# Altium PCB PIXHACK_V3X2.PcbDoc (part 3 of 3)
Units mm, origin at the board's own origin, x right, y up, seen from the top; angles counter-clockwise.
Board outline 51.45 x 41 mm, 6 copper layers (Top Layer, GND, POWER1, Signal1, POWER, Bottom Layer), stack 1.296 mm thick; 217 components, 247 nets, 1002 pads, 279 vias.
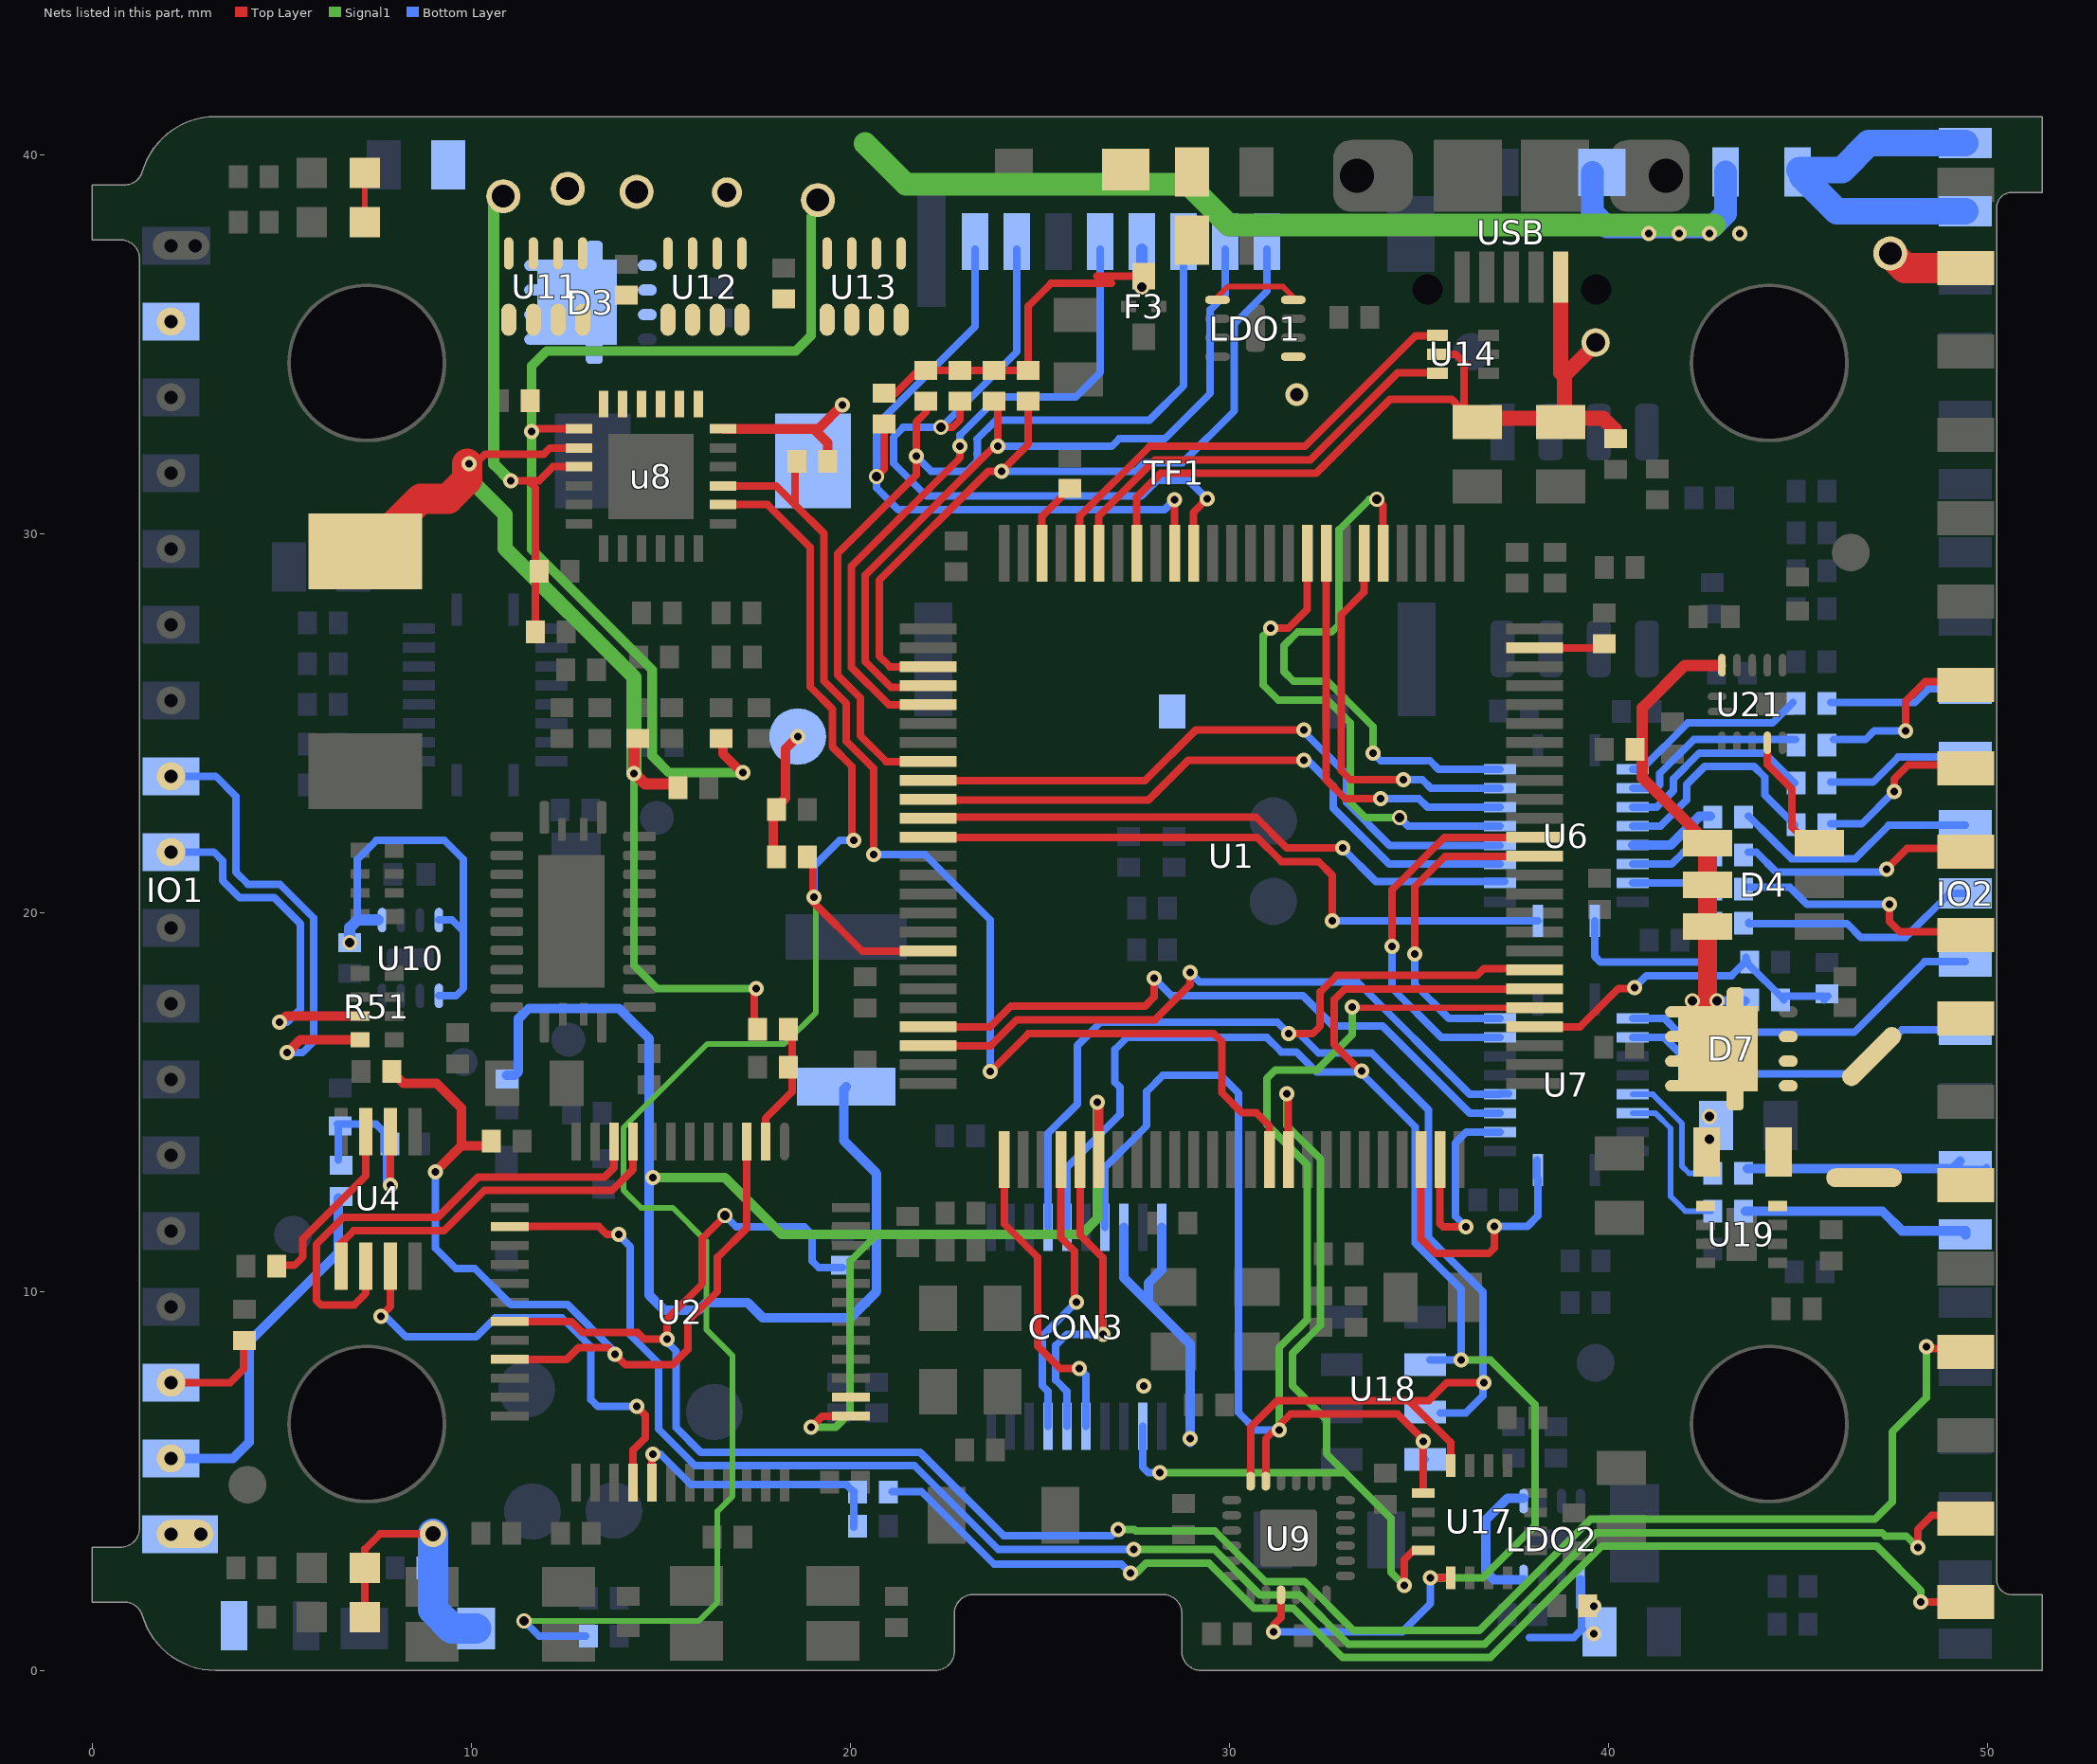
[diagram p7: the nets of this part, all layers, seen from the top]

## Via types
v1: diameter 0.4, hole 0.2, Top Layer to Bottom Layer, tented both sides, 219 vias
v2: diameter 0.4, hole 0.25, Top Layer to Bottom Layer, tented both sides, 32 vias
v3: diameter 0.4, hole 0.2, Top Layer to Bottom Layer, tented top, 17 vias
v4: diameter 0.35, hole 0.2, Top Layer to Bottom Layer, tented both sides, 4 vias
v5: diameter 0.6, hole 0.35, Top Layer to Bottom Layer, tented both sides, 2 vias
v6: diameter 0.4, hole 0.25, Top Layer to Bottom Layer, tented top, 2 vias
v7: diameter 0.45, hole 0.25, Top Layer to Bottom Layer, tented both sides, 2 vias
v8: diameter 0.7, hole 0.4, Top Layer to Bottom Layer, tented both sides, 1 vias

## Nets (pads, with @x,y where several pads share a name; then routed paths per layer and width w, separated by ;. In a path a pad name is that pad's centre, name@x,y a point inside that pad or via, vN(x,y) a via of type N, cw(c..) or ccw(c..) an arc to the next point about the centre after c; other vN are vias at no path point) (continued)
PWM_OUT7: IO1.10 pad.13 pad.23@2.081,21.596 R51.3 | length 9.6
  Top Layer w0.254: v1(4.95,17.1) 5.117,17.267 R51.3@7.066,17.267
  Bottom Layer w0.2: IO1.10@2.081,21.596 3.212,21.596 3.441,21.367 3.441,20.842 3.891,20.392 4.807,20.392 5.496,19.703 5.496,17.447 5.149,17.1 v1(4.95,17.1)
PWM_OUT8: IO1.11 pad.14 pad.23@2.081,23.596 R51.4 | length 12.7
  Top Layer w0.254: v1(5.15,16.3) 5.492,16.642 R51.4@7.066,16.642
  Bottom Layer w0.2: IO1.11@2.152,23.667 IO1.11@2.081,23.596 3.262,23.596 3.795,23.063 3.795,21.063 4.112,20.746 4.954,20.746 5.85,19.85 5.85,16.601 5.549,16.3 v1(5.15,16.3)
RC_IN: ESD2.1 R50.2 R53.1 U4.2 | length 5.3
  Top Layer w0.2: v1@7.841,12.767 v1(7.873,12.799) U4.2@7.873,14.219
  Bottom Layer w0.2: R50.2@6.495,13.467 6.495,14.388 6.466,14.417 7.491,14.417 7.716,14.192 R53.1@7.716,13.717 ; v1@7.772,12.9 R53.1@7.772,13.913
RC_IN_PORT: IO1.2 pad.5@2.081,5.596 pad.23@2.081,5.596 R50.1 | length 9.7
  Bottom Layer w0.254: IO1.2@2.081,5.596 3.72,5.596 4.141,6.017 4.141,8.667 6.495,11.021 R50.1@6.495,12.467
RED: D4.C3 U21.5 | length 3.4
  Top Layer w0.2: U21.5@44.2,24.475 44.2,23.901 44.85,23.251 44.85,22.25 D4.C3@45.271,21.829
  Top Layer w0.25: D4.C3@45.271,21.829 D4.C3@45.574,21.829
RSSI_IN: C61.2 R55.1 U2.15 U2.33 | length 24.3
  Top Layer w0.2: U2.33@11.02,8.208 12.522,8.208 12.831,8.517 13.616,8.517 14.066,8.067 15.316,8.067 15.716,8.467 15.716,9.216 16.5,10 16.5,10.9 17.27,11.67 U2.15@17.27,13.958
  Top Layer w0.254: R55.1@7.91,15.8 8.216,15.494 9.089,15.494 9.741,14.842 9.741,13.842 ; v1(9.054,13.155) 9.741,13.842 ; C61.2@10.491,13.992 10.341,13.842 9.741,13.842
  Bottom Layer w0.2: v1(9.054,13.155) 9.054,11.146 9.6,10.6 10.1,10.6 11.046,9.654 12.546,9.654 13.716,8.484 v1@13.716,8.267
  other v1: 13.791,8.342
RSSI_IN_PROT: IO1.3 pad.7@2.081,7.596 pad.24 R54.2 | length 2.7
  Top Layer w0.2: pad.24@2.081,7.596 3.645,7.596 3.995,7.946 R54.2@3.995,8.611
SAFE_LED: IO2.2 U2.26 | length 47.4
  Top Layer w0.2: U2.26@11.02,11.708 11.029,11.717 13.366,11.717 13.583,11.5 v1(13.9,11.5) ; v1(48.166,3.242) 48.166,3.717 48.538,4.089 IO2.2@49.433,4.089
  Signal1 w0.2: v1(27.486,3.187) 29.612,3.187 30.807,1.992 31.842,1.992 33.138,0.696 36.745,0.696 39.681,3.633 47.226,3.633 47.313,3.546 47.862,3.546 v1(48.166,3.242)
  Bottom Layer w0.2: v1@13.892,11.492 14.2,11.183 14.2,8.85 14.941,8.109 14.941,6.372 15.913,5.4 21.701,5.4 23.914,3.187 v1(27.486,3.187)
SAFETY: R42.2 R62.1 U2.41 | length 7.4
  Top Layer w0.2: U2.41@14.77,4.958 14.77,5.67 v1(14.8,5.7) v1@14.812,5.712
  Bottom Layer w0.2: v1(14.8,5.7) 15,5.7 15.8,4.9 19.903,4.9 R62.1@20.094,4.709 ; R42.2@20.094,3.779 R62.1@20.094,4.709 ; R62.1@20.106,4.721 R62.1@20.094,4.709
SAFETY_IO: IO2.1 R62.2 | length 32.3
  Top Layer w0.2: v1(48.25,1.8) 49.344,1.8 IO2.1@49.361,1.817
  Signal1 w0.2: v1(27.391,2.567) 27.544,2.567 27.81,2.833 29.465,2.833 30.66,1.638 31.695,1.638 32.991,0.342 36.891,0.342 39.828,3.279 47.079,3.279 48.25,2.108 v1(48.25,1.8)
  Bottom Layer w0.2: R62.2@21.106,4.721 21.879,4.721 23.8,2.8 27.158,2.8 v1(27.391,2.567)
SBUS_INPUT: U2.22 U4.6 | length 13.1
  Top Layer w0.2: U4.6@7.223,10.669 7.223,9.949 6.916,9.642 6.041,9.642 5.916,9.767 5.916,11.242 6.628,11.954 9.119,11.954 10.182,13.017 13.517,13.017 13.77,13.27 U2.22@13.77,13.958
SBUS_OUTPUT: U2.21 U4.5 | length 9.8
  Top Layer w0.2: U4.5@6.573,10.669 6.573,11.274 6.899,11.6 9.281,11.6 10.345,12.663 13.713,12.663 14.27,13.22 U2.21@14.27,13.958
SBUS_OUTPUT_EN: U2.40 U4.7 | length 12.6
  Top Layer w0.2: v1(7.616,9.342) 7.873,9.599 U4.7@7.873,10.669 ; U2.40@14.27,4.958 14.27,5.812 14.591,6.133 14.591,6.742 v1(14.366,6.967)
  Bottom Layer w0.2: v1(7.616,9.342) 7.737,9.342 8.279,8.8 10.133,8.8 10.633,9.3 12.399,9.3 13.162,8.537 13.162,7.146 13.341,6.967 v1(14.366,6.967)
SBUS_OUTPUT_PROT: R11.1 U4.3 | length 4.7
  Top Layer w0.2: R11.1@4.96,10.688 5.337,10.688 5.562,10.913 5.562,11.389 7.223,13.05 U4.3@7.223,14.219
SDIO1_CARD_DETECT: TF1.10
SDIO_CK: TF1.5 U1.80 | length 17.4
  Top Layer w0.2: U1.80@22.06,25.484 21.017,25.484 20.036,26.465 20.036,29.136 22.9,32 v1(22.9,32.3)
  Bottom Layer w0.2: v1(22.9,32.3) 22.9,32.6 23.9,33.6 25.95,33.6 26.6,34.25 TF1.5@26.6,37.5
SDIO_CMD: R13.1 TF1.3 U1.83 | length 24.2
  Top Layer w0.2: R13.1@22,33.49 22,33.2 21.741,32.941 v1(21.741,32.041) 21.741,31.541 19.671,29.471 19.671,26.262 20.266,25.667 20.266,24.667 20.949,23.984 U1.83@22.06,23.984
  Bottom Layer w0.2: v1(21.741,32.041) 22.136,31.646 23.088,31.646 23.354,31.912 23.354,32.104 23.35,32.108 23.354,32.112 23.354,32.488 23.35,32.492 23.354,32.496 23.85,32.992 27.892,32.992 28.8,33.9 TF1.3@28.8,37.5
SDIO_D0: R94.1 TF1.7 U1.65 | length 19.2
  Top Layer w0.2: v2(22.4,32.8) 22.7,32.8 22.9,33 R94.1@22.9,33.49 ; U1.65@29.06,29.484 29.06,30.56 v1(29.416,30.916)
  Bottom Layer w0.2: TF1.7@24.4,37.5 24.4,34.8 v2(22.4,32.8) 21.4,32.8 21.141,32.541 21.141,31.859 22.013,30.987 27.687,30.987 28.1,31.4 28.932,31.4 v1(29.416,30.916)
SDIO_D1: R93.1 TF1.8 U1.66 | length 18.6
  Top Layer w0.2: v2(20.7,31.5) 20.9,31.7 R93.1@20.9,32.89 ; v1@28.5,30.958 v1(28.56,30.898) U1.66@28.56,29.484
  Bottom Layer w0.2: TF1.8@23.3,37.5 23.3,35.467 20.7,32.867 v2(20.7,31.5) 20.7,31.199 21.266,30.633 28.295,30.633 v1(28.56,30.898)
SDIO_D2: R92.1 TF1.1 U1.78 | length 21.4
  Top Layer w0.2: U1.78@22.06,26.484 21.049,26.484 20.766,26.767 20.766,28.766 23.642,31.642 v1(23.991,31.642) 24.7,32.351 R92.1@24.7,33.49
  Bottom Layer w0.2: v1(23.991,31.642) 27.542,31.642 27.771,31.871 28.771,31.871 30.137,33.237 30.137,35.537 31,36.4 TF1.1@31,37.5
SDIO_D3: R14.1 TF1.2 U1.79 | length 19.9
  Top Layer w0.2: U1.79@21.441,25.942 21.075,25.942 20.401,26.616 20.401,28.902 23.495,31.996 23.8,32.3 v1(23.9,32.3) 23.9,33.39 R14.1@23.8,33.49
  Bottom Layer w0.2: v1(23.9,32.3) 26.9,32.3 27.1,32.5 28.3,32.5 29.5,33.7 29.5,35.9 29.9,36.3 TF1.2@29.9,37.5
SERVO_G: u8.15 U12.2 U12.4
SERVO_VALID: R39.2 R86.1 U1.93 u8.8 | length 48.7
  Top Layer w0.2: u8.8@16.649,30.761 17.822,30.761 18.941,29.642 18.941,25.96 19.536,25.365 19.536,24.365 20.041,23.86 v1@20.041,21.9 ; R39.2@19.022,21.471 19.022,20.278 20.316,18.984 U1.93@22.06,18.984
  Signal1 w0.15: v2(11.4,1.3) 16,1.3 16.5,1.8 16.5,4.2 16.9,4.6 16.9,8.3 16.204,8.996 16.204,11.326 15.326,12.204 14.489,12.204 14.017,12.676 14.017,14.317 16.229,16.529 18.264,16.529 19.1,17.365 19.1,20.341 v1(19.041,20.4)
  Bottom Layer w0.2: v2(11.4,1.3) 11.8,0.9 R86.1@13.025,0.9 ; v1(19.041,20.4) 19.041,21.217 19.724,21.9 v1(20.1,21.9)
SERVO_VS: C32.1 u8.16 U12.1 U12.3
SPEKTRUM_EN: U2.2
SPI_EXT_MISO: CON3.14 U1.4 | length 7.6
  Top Layer w0.2: U1.4@25.56,13.484 25.56,11.423 25.916,11.067 25.916,9.767 v1(25.966,9.717)
  Bottom Layer w0.2: CON3.14@25.216,6.442 25.216,7.366 25.07,7.512 25.07,8.821 v1(25.966,9.717)
SPI_EXT_MOSI: CON3.15 U1.5 | length 8.6
  Top Layer w0.2: U1.5@26.066,13.567 26.066,11.492 26.666,10.892 v1(26.666,8.867)
  Bottom Layer w0.2: CON3.15@25.716,6.442 25.716,7.367 25.424,7.659 25.424,8.575 25.716,8.867 v1(26.666,8.867)
SPI_EXT_SCK: CON3.16 U1.1 | length 8.2
  Top Layer w0.2: U1.1@24.066,13.417 24.066,11.784 24.951,10.899 24.951,8.557 25.541,7.967 v1(26.041,7.967)
  Bottom Layer w0.2: v1(26.041,7.967) 26.216,7.792 CON3.16@26.216,6.442
SPI_MAG_CS: CON3.19 U1.16 U17.4 | length 24.3
  Top Layer w0.2: U1.16@31.56,13.484 v1@31.56,15.117 ; v1(34.616,2.242) 34.616,2.917 34.863,3.164 U17.4@35.114,3.164
  Signal1 w0.2: v1(28.166,5.217) 33.066,5.217 ; v1(31.516,15.217) 31.516,14.385 32.412,13.489 32.412,9.111 31.67,8.369 31.67,7.513 32.566,6.617 32.566,5.717 33.066,5.217 ; v1(34.616,2.242) 34.266,2.592 34.266,4.017 33.066,5.217
  Bottom Layer w0.2: CON3.19@27.716,6.442 27.716,5.367 27.866,5.217 v1(28.166,5.217)
SPI_MISO: CON3.6 U1.31 U9.9 U17.5 U18.6 | length 45.1
  Top Layer w0.2: v1(31.166,1.017) 31.166,1.192 31.366,1.392 U9.9@31.366,1.992 ; v1(33.491,15.817) 33.466,15.817 32.771,16.512 32.771,17.698 33.052,17.979 33.448,17.979 33.453,17.984 U1.31@38.06,17.984 ; v1(35.313,2.439) U17.5@35.839,2.439
  Signal1 w0.2: v1(35.313,2.439) 36.689,2.439 38.066,3.816 38.066,7.017 36.891,8.192 v1(36.116,8.192)
  Bottom Layer w0.2: CON3.6@25.716,11.692 25.716,13.268 27.116,14.668 27.116,15.39 26.987,15.519 26.987,16.387 27.3,16.7 30.998,16.7 31.377,16.321 31.773,16.321 32.306,15.788 33.462,15.788 34.904,14.346 34.904,11.279 36.116,10.066 v1(36.116,8.192) U18.6@35.291,8.192 ; v1(31.166,1.017) 34.566,1.017 35.313,1.764 v1(35.313,2.439)
SPI_MOSI: CON3.7 U1.32 U9.24 U17.16 U18.7 | length 42.9
  Top Layer w0.2: U9.24@30.566,4.992 30.566,6.417 31.266,7.117 34.741,7.117 ; v1(31.575,16.8) 32.2,16.8 32.4,17 32.4,17.9 32.838,18.338 33.307,18.338 36.535,18.338 36.714,18.517 U1.32@37.966,18.517 ; U17.16@35.839,5.41 35.839,6.019 34.741,7.117 ; v1(36.716,7.592) 35.741,7.592 35.266,7.117 34.741,7.117
  Bottom Layer w0.2: CON3.7@25.216,11.692 25.216,14.166 25.995,14.945 25.995,16.495 26.6,17.1 31.275,17.1 v1(31.575,16.8) 31.85,16.8 32.354,16.296 33.753,16.296 35.258,14.791 35.258,11.425 36.691,9.992 36.691,7.242 36.241,6.792 U18.7@35.566,6.792
SPI_SCK: CON3.4 U1.30 U9.23 U17.1 U18.8 | length 42.5
  Top Layer w0.154: v1(33.25,17.5) 33.266,17.484 U1.30@38.06,17.484
  Top Layer w0.2: U9.23@30.966,4.992 30.966,6.113 31.616,6.763 34.445,6.763 v1@35.114,6.094 ; U17.1@35.114,4.676 v1@35.114,6.042
  Signal1 w0.2: v1(31.316,6.342) 31.316,8.516 32.058,9.257 32.058,13.343 30.995,14.405 30.995,15.621 31.216,15.842 32.316,15.842 33.25,16.776 v1(33.25,17.5)
  Bottom Layer w0.2: CON3.4@26.716,11.692 26.716,13.267 27.824,14.375 27.824,15.275 28.249,15.7 29.783,15.7 30.25,15.233 30.25,6.8 30.708,6.342 v1(31.316,6.342) ; v1(35.116,6.042) 35.116,5.617 U18.8@35.166,5.567
STM32_DM: U1.70 U14.6 | length 11.5
  Top Layer w0.2: U1.70@26.56,29.484 26.56,30.46 28.047,31.946 32.146,31.946 34.442,34.242 U14.6@35.541,34.242
STM32_DP: U1.71 U14.4 | length 12.4
  Top Layer w0.2: U1.71@26.06,29.484 26.06,30.46 27.9,32.3 31.999,32.3 34.916,35.217 U14.4@35.466,35.217
TELEM1_CTS: R65.1 U6.16 | length 2.4
  Bottom Layer w0.254: U6.16@40.644,21.777 41.637,21.777 42.398,22.538 R65.1@42.697,22.538
TELEM1_CTS_IO: IO2.31 R65.2 | length 6.6
  Bottom Layer w0.2: R65.2@43.697,22.538 43.712,22.538 44.308,21.942 ; 44.308,21.942 44.83,21.421 46.521,21.421 47.4,22.3 IO2.31@49.425,22.3
TELEM1_RTS: R64.1 U6.17 | length 2.2
  Bottom Layer w0.2: U6.17@40.644,21.277 41.676,21.277 41.987,21.588 R64.1@42.697,21.588
TELEM1_RTS_IO: IO2.10 R64.2 | length 6.2
  Top Layer w0.2: v3(47.341,21.142) 47.888,21.689 IO2.10@49.433,21.689
  Bottom Layer w0.2: R64.2@43.697,21.588 43.912,21.588 44.433,21.067 47.266,21.067 v3(47.341,21.142)
TELEM1_RX: R77.2 U6.20 | length 5
  Bottom Layer w0.2: U6.20@39.644,19.777 39.644,18.839 39.795,18.688 42.462,18.688 42.71,18.936 R77.2@42.71,19.746
TELEM1_RX_IO: IO2.30 R77.1 | length 6.4
  Bottom Layer w0.2: R77.1@43.71,19.746 43.71,19.709 46.299,19.709 46.666,19.342 47.841,19.342 48.999,20.5 IO2.30@49.425,20.5
TELEM1_TX: R63.1 U6.18 | length 1.9
  Bottom Layer w0.2: U6.18@40.644,20.777 R63.1@42.583,20.777
TELEM1_TX_IO: IO2.9 R63.2 | length 6.5
  Top Layer w0.2: v3(47.416,20.217) 47.416,19.764 47.691,19.489 IO2.9@49.433,19.489
  Bottom Layer w0.2: R63.2@43.697,20.663 44.795,20.663 45.241,20.217 v3(47.416,20.217)
TELEM2_CTS: R67.1 U6.14 | length 5.4
  Bottom Layer w0.2: U6.14@40.644,22.777 41.277,22.777 41.717,23.217 41.717,23.524 42.402,24.209 44.124,24.209 R67.1@44.916,23.417
TELEM2_CTS_IO: IO2.32 R67.2 | length 3.8
  Bottom Layer w0.2: R67.2@45.872,23.438 46.988,23.438 47.65,24.1 IO2.32@49.425,24.1
TELEM2_RTS: R66.1 U6.15 | length 6.1
  Bottom Layer w0.2: U6.15@40.644,22.277 41.377,22.277 42.071,22.971 42.071,23.378 42.548,23.855 43.845,23.855 44.128,23.572 44.128,23.105 R66.1@44.916,22.317
TELEM2_RTS_IO: IO2.11 R66.2 | length 4.4
  Top Layer w0.2: v3(47.541,23.192) 47.541,23.517 47.913,23.889 IO2.11@49.433,23.889
  Bottom Layer w0.2: R66.2@45.872,22.338 46.687,22.338 v3(47.541,23.192)
TELEM2_RX: R68.1 U6.13 | length 5
  Bottom Layer w0.2: U6.13@40.644,23.277 41.277,23.277 41.363,23.364 41.363,23.671 42.255,24.563 R68.1@44.947,24.563
TELEM2_RX_IO: IO2.12 R68.2 | length 4.6
  Top Layer w0.2: v3(47.841,24.792) 47.841,25.567 48.363,26.089 IO2.12@49.433,26.089
  Bottom Layer w0.2: R68.2@45.947,24.563 46.787,24.563 47.016,24.792 v3(47.841,24.792)
TELEM2_TX: R69.1 U6.12 | length 5
  Bottom Layer w0.2: U6.12@40.644,23.777 40.877,23.777 42.1,25 44.334,25 R69.1@44.872,25.538
TELEM2_TX_IO: IO2.33 R69.2 | length 3.7
  Bottom Layer w0.2: R69.2@45.872,25.538 48.088,25.538 48.45,25.9 IO2.33@49.425,25.9
TELEM4_RX: R71.1 U7.17 | length 4.2
  Bottom Layer w0.15: U7.17@40.644,14.702 41.248,14.702 41.646,14.304 41.646,12.508 42.037,12.117 R71.1@42.716,12.117
TELEM4_RX_IO: IO2.25 R71.2 | length 6.1
  Bottom Layer w0.254: R71.2@43.616,12.117 47.233,12.117 47.75,11.6 49.425,11.6 IO2.25@49.425,11.5
TELEM4_TX: R72.1 U7.16 | length 3.6
  Bottom Layer w0.15: U7.16@40.644,15.202 41.178,15.202 41.95,14.43 41.95,13.3 42.133,13.117 R72.1@42.716,13.117
TELEM4_TX_IO: IO2.26 R72.2 | length 6.7
  Bottom Layer w0.2: IO2.26@49.004,13.212 49.929,13.212 IO2.26@49.984,13.267
  Bottom Layer w0.254: R72.2@43.672,13.238 49.087,13.238 IO2.26@49.287,13.438
TELEM5_RX: R76.1 U7.12 | length 2.2
  Bottom Layer w0.2: U7.12@40.644,17.202 41.482,17.202 41.846,16.838 R76.1@42.697,16.838
TELEM5_RX_IO: IO2.29 R76.2 | length 6.5
  Bottom Layer w0.2: R76.2@43.697,16.838 46.487,16.838 48.349,18.7 IO2.29@49.425,18.7
TELEM5_TX: R75.1 U7.13 | length 2.4
  Bottom Layer w0.2: U7.13@40.644,16.702 41.473,16.702 42.437,15.738 R75.1@42.672,15.738
TELEM5_TX_IO: IO2.28 R75.2 | length 6.2
  Bottom Layer w0.2: R75.2@43.672,15.738 46.588,15.738 47.75,16.9 IO2.28@49.425,16.9
TF_VCC: C16.2 F3.2 R13.2 R14.2 R92.2 R93.2 R94.2 TF1.4 | length 10.3
  Top Layer w0.2: R93.2@20.9,33.71 21.21,33.71 21.81,34.31 R13.2@22,34.31 R94.2@22.9,34.31 R14.2@23.8,34.31 R92.2@24.7,34.31 24.7,36 25.3,36.6 26.9,36.6 ; 26.513,36.795 F3.2@27.624,36.795
  Bottom Layer w0.3: v2(27.7,36.5) TF1.4@27.7,37.5
USART1_RX: IO2.4 R84.1 U2.31 | length 56.1
  Top Layer w0.2: U2.31@11.02,9.208 12.65,9.208 12.941,8.917 14.391,8.917 14.566,8.742 v1(15.166,8.742) 15.166,9.266 16.1,10.2 16.1,11.4 v2(16.7,12) ; v1@48.394,8.489 IO2.4@49.433,8.489
  Signal1 w0.2: v1(27.066,3.717) 27.495,3.717 27.528,3.684 29.615,3.684 30.953,2.346 31.988,2.346 33.284,1.05 36.598,1.05 39.535,3.987 47.036,3.987 47.491,4.442 47.491,6.292 48.391,7.192 v1(48.391,8.542)
  Bottom Layer w0.2: v1@15.116,8.717 15.412,8.421 15.412,6.401 16.059,5.754 21.847,5.754 24.049,3.552 26.901,3.552 v1(27.066,3.717) ; v2(16.7,12) 17,11.7 18.8,11.7 19,11.5 19,10.8 19.175,10.625 R84.1@19.8,10.625
USART2_CTS: U1.84 U6.5 | length 17.4
  Top Layer w0.2: U1.84@22.06,23.484 27.784,23.484 29.117,24.817 v1(31.966,24.817)
  Bottom Layer w0.2: v1(31.966,24.817) 31.966,24.775 33.1,23.641 33.1,22.9 34.233,21.767 U6.5@37.141,21.767
USART2_RTS: U1.85 U6.4 | length 17.2
  Top Layer w0.2: U1.85@22.06,22.984 22.076,22.969 27.869,22.969 28.917,24.017 v1(31.966,24.017) v1@31.966,24.117
  Bottom Layer w0.2: v1@31.941,24.092 31.991,24.042 32.042,24.042 32.746,23.338 32.746,22.753 34.222,21.277 U6.4@37.144,21.277
USART2_RX: U1.87 U6.1 | length 17.7
  Top Layer w0.2: U1.87@22.06,21.984 30.736,21.984 31.374,21.346 32.354,21.346 32.723,20.977 v1(32.723,19.777)
  Bottom Layer w0.2: v1(32.723,19.777) U6.1@38.144,19.777
USART2_TX: U1.86 U6.3 | length 15.9
  Top Layer w0.2: U1.86@22.06,22.484 22.097,22.521 30.7,22.521 31.521,21.7 v1(32.991,21.7)
  Bottom Layer w0.2: v1(32.991,21.7) 33.874,20.817 U6.3@37.266,20.817
USART3_CTS: U1.58 U6.7 | length 10.9
  Top Layer w0.2: U1.58@32.56,29.484 32.56,23.506 33.066,23 v1(34,23)
  Bottom Layer w0.2: v1(34,23) 35.008,23 35.23,22.778 35.952,22.778 ; 35.953,22.777 U6.7@37.144,22.777
USART3_RTS: U1.59 U6.6 | length 13.3
  Top Layer w0.2: v1(31.1,27.5) 31.56,27.5 32.06,28 U1.59@32.06,29.484
  Signal1 w0.2: v1(31.1,27.5) 30.9,27.3 30.9,26 31.3,25.6 32.6,25.6 33.2,25 33.2,22.9 33.6,22.5 v2(34.5,22.5)
  Bottom Layer w0.2: v2(34.5,22.5) 34.723,22.277 U6.6@37.144,22.277
USART3_RX: U1.56 U6.8 | length 10.4
  Top Layer w0.2: U1.56@33.56,29.484 33.56,28.461 32.962,27.863 32.962,23.738 33.2,23.5 v1(34.6,23.5)
  Bottom Layer w0.2: v1(34.6,23.5) 35.1,23.5 35.323,23.277 U6.8@37.144,23.277
USART3_TX: U1.55 U6.9 | length 14.9
  Top Layer w0.2: v2(33.9,30.9) 34.06,30.74 U1.55@34.06,29.484
  Signal1 w0.2: v1(33.8,24.2) 33.8,24.901 32.601,26.1 31.7,26.1 31.446,26.354 31.446,27.042 31.804,27.4 32.7,27.4 32.9,27.6 32.9,30.1 33.7,30.9 v2(33.9,30.9)
  Bottom Layer w0.2: v1(33.8,24.2) 34,24 35.3,24 35.523,23.777 U6.9@37.144,23.777
USART4_RX: U1.24 U7.3 | length 6.1
  Top Layer w0.2: U1.24@35.56,13.484 35.56,11.79 35.65,11.7 v1(36.25,11.7)
  Bottom Layer w0.2: v1(36.25,11.7) 35.966,11.984 35.966,13.916 36.252,14.202 U7.3@37.144,14.202
USART4_TX: U1.23 U7.1 | length 7.6
  Top Layer w0.2: U1.23@35.02,13.524 U1.23@35.06,13.484 35.06,11.39 35.45,11 36.85,11 36.991,11.141 v1(36.991,11.717)
  Bottom Layer w0.2: v1(36.991,11.717) 37.867,11.717 38.141,11.991 38.141,12.978 38.116,13.003 U7.1@38.116,13.467
USART7_RX: U1.38 U7.9 | length 8.7
  Top Layer w0.2: v1(34.9,18.9) 34.9,20.684 35.7,21.484 U1.38@38.06,21.484
  Bottom Layer w0.2: v1(34.9,18.9) 34.9,18.1 35.798,17.202 U7.9@37.144,17.202
USART7_TX: U1.39 U7.8 | length 10.3
  Top Layer w0.2: v1(34.3,19.1) 34.3,20.6 35.684,21.984 U1.39@38.06,21.984
  Bottom Layer w0.2: v1(34.3,19.1) 34.3,18 35.598,16.702 U7.8@37.144,16.702
USART8_RX: U1.97 U7.4 | length 17.4
  Top Layer w0.2: U1.97@22.06,16.984 23.692,16.984 24.24,17.532 27.781,17.532 28.016,17.767 v1(28.016,18.267)
  Bottom Layer w0.2: v1(28.016,18.267) 28.475,17.808 31.943,17.808 32.747,17.004 34.046,17.004 36.348,14.702 U7.4@37.144,14.702
USART8_TX: U1.98 U7.5 | length 17.6
  Top Layer w0.2: U1.98@22.06,16.484 23.708,16.484 24.391,17.167 28.041,17.167 28.966,18.092 v1(28.966,18.417)
  Bottom Layer w0.2: v1(28.966,18.417) 29.221,18.162 33.389,18.162 36.348,15.202 U7.5@37.144,15.202 ; U7.5@37.144,15.217 U7.5@37.366,15.217
VBAT: R45.2 U1.6 U2.1 U16.1 | length 49.2
  Top Layer w0.2: v1(18.966,6.417) 19.257,6.708 U2.1@20.02,6.708
  Top Layer w0.25: U1.6@26.56,13.484 v1@26.56,14.873
  Signal1 w0.2: v1(18.966,6.417) 19.617,6.417 20,6.8 20,10.8 20.7,11.5
  Signal1 w0.25: v1(14.8,13) 16.7,13 18.2,11.5 20.7,11.5 26.1,11.5 26.516,11.916 v1(26.516,14.992)
  Bottom Layer w0.25: R45.2@10.929,15.706 11.156,15.706 11.25,15.8 11.25,17.2 11.517,17.467 13.9,17.467 14.7,16.667 14.7,9.9 15.1,9.5 16,9.5 16.2,9.7 17.3,9.7 17.7,9.3 20,9.3 20.7,10 20.7,13.111 19.837,13.973 19.837,15.338 U16.1@19.9,15.401
VBUS: C22.2 C30.2 C31.2 IO2.17 pad.3@19.15,38.8 pad.3@39.666,35.042 pad.3@47.441,37.392 R5.2 U1.68 u8.19 U13.7 U13.8 U14.5 USB.1 | length 52.2
  Top Layer w0.2: v1@11.516,32.692 11.585,32.761 u8.19@12.849,32.761 ; U1.68@27.56,29.484 27.56,30.959 28.193,31.592 32.292,31.592 34.242,33.542 35.866,33.542 ; U14.5@35.501,34.734 35.975,34.734 36.191,34.517 C30.2@36.191,32.942 ; 35.87,33.538 36.141,33.267 C30.2@36.391,33.017
  Top Layer w0.254: R5.2@16.641,24.632 16.641,24.192 v1@17.154,23.68
  Top Layer w0.4: C30.2@36.541,33.042 39.866,33.042 C22.2@40.166,32.742 ; 38.746,34.238 USB.1@38.746,36.764 ; C31.2@38.841,33.142 38.841,34.167 39.666,34.992 pad.3@39.666,35.042
  Top Layer w0.8: pad.3@47.441,37.392 47.833,37 IO2.17@49.433,37
  Signal1 w0.254: v1(11.591,32.692) v1@11.597,32.686 ; v1(17.166,23.692) 15.216,23.692 14.776,24.132 14.776,26.405 11.597,29.584 v1@11.597,32.686 ; 18.966,38.367 18.966,35.217 18.566,34.817 11.991,34.817 11.597,34.423 v1@11.597,32.686
VBUS_G: u8.13 U13.2 U13.4
VBUS_VAILD: R40.2 U1.15 u8.9 | length 31.6
  Top Layer w0.2: u8.9@16.649,31.261 18.047,31.261 18.547,30.761 ; R40.2@18.547,31.761 18.547,30.761 ; v1(20.616,21.534) v1@20.616,21.634 ; v1@20.716,21.534 v1@20.616,21.634 ; v1(23.7,15.8) 24.7,16.8 29.6,16.8 29.812,16.588 29.812,15.238 30.333,14.717 30.716,14.717 31.06,14.373 U1.15@31.06,13.484 ; 18.547,30.761 19.306,30.002 19.306,26.111 19.901,25.516 19.901,24.516 20.616,23.801 v1@20.616,21.634
  Bottom Layer w0.2: v1(20.616,21.534) 21.966,21.534 23.066,20.434 23.7,19.8 v1(23.7,15.8)
VBUS_VS: C34.1 u8.14 U13.1 U13.3
VCAP_1: C25.2 U1.49 | length 1.9
  Top Layer w0.2: U1.49@38.06,26.984 39.808,26.984 C25.2@39.891,27.067
VCAP_2: C26.2 U1.73 | length 2
  Top Layer w0.2: U1.73@25.06,29.484 25.06,30.45 C26.2@25.8,31.19
VCC_OUT1: D7.1 F4/DNP.1 IO2.8 pad.20@46.95,16.2
VCC_OUT2: IO2.6 pad.20@46.75,13 U19.8 | length 0.1
  Top Layer w0.2: IO2.6@49.367,12.955 IO2.6@49.433,12.889
VDD_5V_BRICK: C11.2 C18.2 D2.2 F2.2 pad.3@10.85,38.9 R2.2 u8.21 U11.7 U11.8 | length 43.1
  Top Layer w0.2: v1(11.041,31.392) 11.508,31.392 ; R2.2@11.69,27.4 11.69,31.21 11.508,31.392 ; u8.21@12.849,31.761 12.16,31.761 11.791,31.392 11.508,31.392
  Signal1 w0.3: pad.3@10.85,38.9 10.6,38.65 10.6,31.833 v1(11.041,31.392)
  Signal1 w0.6: 20.391,40.292 21.466,39.217 28.916,39.217 29.991,38.142 42.791,38.142
  Bottom Layer w0.6: D2.2@39.589,39.535 39.589,38.469 39.966,38.092 42.741,38.092 43.091,38.442 F2.2@43.091,39.542
  other v1: 41.066,37.917 41.866,37.917 42.666,37.917 43.466,37.917
VDD_5V_BRICK_IN: F2.1 IO2.40 IO2.41 | length 9.4
  Bottom Layer w0.7: F2.1@45.041,39.592 46.166,39.592 46.874,40.3 IO2.41@49.425,40.3 ; F2.1@45.116,39.417 46.033,38.5 IO2.40@49.425,38.5
VDD_5V_IN: C5.2 C12.A C17.2 C19.2 C29.2 C40.2 C56.2 C57.2 CON3.1 CON3.3 D1.1 D4.A1 D4.A2 D4.A3 D6.2 D7.5 D8.1 D9.1 D10.1 D11.1 F4/DNP.2 LDO1.1 LDO1.4 LDO1.5 LDO2.1 LDO2.4 LDO2.5 pad.1@18.616,24.642 pad.3@12.55,39.1 pad.3@16.75,39 R21.2 R38.1 R39.1 R40.1 u8.12 U10.1 U10.4 U10.5 U11.5 U11.6 U12.5 U12.6 U13.5 U13.6 U19.1 U21.11 | length 57.3
  Top Layer w0.15: D9.1@7.2,38.217 D10.1@7.2,39.517 ; LDO1.5@29.616,36.167 29.966,36.517 31.416,36.517 LDO1.4@31.791,36.142 ; v2@42.891,17.692 v2@42.941,17.742
  Top Layer w0.2: D8.1@7.2,1.4 D11.1@7.2,2.7 7.2,3.2 7.6,3.6 v8(9,3.6)
  Top Layer w0.254: u8.12@16.649,32.761 19.039,32.761 ; R39.1@17.972,21.446 17.972,22.696 18.291,23.015 18.291,24.317 v1(18.616,24.642) ; R40.1@19.41,31.9 19.41,32.39 19.039,32.761 ; v1(19.791,33.392) 19.16,32.761 19.039,32.761
  Top Layer w0.3: D4.A3@42.624,21.829 40.9,23.552 40.9,25.4 42.017,26.517 U21.11@42.966,26.517
  Top Layer w0.5: D7.5@42.624,17.5 D4.A1@42.624,19.629 D4.A2@42.624,20.729 D4.A3@42.624,21.829
  Bottom Layer w0.154: LDO2.4@37.735,2.361 LDO2.4@37.766,2.392
  Bottom Layer w0.2: 7,19.8 7,21.4 7.5,21.9 9.3,21.9 9.8,21.4 9.8,19.5 ; U10.5@9.15,17.8 9.6,17.8 9.8,18 9.8,19.5 ; U10.4@9.15,19.8 9.5,19.8 9.8,19.5 ; 37.914,0.867 39.091,0.867 39.316,1.092 ; 39.291,1.067 39.291,1.667
  Bottom Layer w0.254: CON3.3@27.216,11.692 27.216,10.367 27.866,9.717 ; CON3.1@28.216,11.692 28.216,10.567 27.866,10.217 27.866,9.717 ; v1@28.966,6.017 28.966,8.617 27.866,9.717 ; LDO2.4@37.766,2.392 36.991,2.392 36.766,2.617 36.766,3.966 37.342,4.542 LDO2.5@37.766,4.542 ; 39.266,1.692 LDO2.1@39.266,2.392 ; v2(42.216,17.667) v2(42.866,17.667) R21.2@43.606,17.667
  Bottom Layer w0.3: v2(6.8,19.21) 6.8,19.6 7,19.8 U10.1@7.55,19.8
  Bottom Layer w0.8: v8(9,3.6) 9,1.6 9.493,1.107 D1.1@10.127,1.107
  other v1: 39.616,0.967 39.616,1.692 28.966,6.117 27.75,7.5
  other v5: 31.785,33.661
  other v6: 42.666,14.017 42.666,14.617
VDD_5V_SENS: C59.2 R21.1 R22.2 U1.29 | length 9.1
  Top Layer w0.2: U1.29@38.06,16.984 39.258,16.984 40.266,17.992 v1@40.698,17.992
  Bottom Layer w0.2: v1(40.691,18.017) 41.008,18.334 43.252,18.334 R22.2@43.626,18.708 ; R22.2@43.635,18.821 R22.2@43.635,18.717 ; R22.2@43.666,18.717 R22.2@43.635,18.717 ; R21.1@44.638,17.696 43.687,18.647 R22.2@43.626,18.708 ; R21.1@44.638,17.796 C59.2@45.695,17.796 ; C59.2@45.695,17.696 C59.2@45.791,17.792 ; R22.2@43.626,18.708 43.617,18.717 R22.2@43.635,18.717 ; R22.2@43.626,18.708 R22.2@43.635,18.717
VDD_G: u8.17 U11.2 U11.4
VDD_RC: IO1.1 L1.1 pad.4 pad.5@2.866,3.596 pad.23@2.45,3.6
VDD_SERVO: C13.A C21.2 D3.1 pad.3@14.366,39.017 R1.2 R27.1 u8.20 U12.7 U12.8 | length 28.3
  Top Layer w0.154: v1(14.295,23.663) v1@14.32,23.663
  Top Layer w0.2: 10.141,31.867 10.366,32.092 11.916,32.092 12.085,32.261 u8.20@12.849,32.261 ; R27.1@17.472,16.896 v1@17.472,17.948
  Top Layer w0.3: v1(14.295,23.663) R1.2@14.295,24.436 ; v1@14.32,23.663 14.591,23.392 C21.2@15.391,23.392
  Top Layer w0.8: C13.A@7.207,29.46 8.664,30.917 9.391,30.917 9.891,31.417 v1@9.891,31.842
  Signal1 w0.2: v1(14.295,23.663) 14.295,18.605 14.908,17.992 v1(17.516,17.992)
  Signal1 w0.4: v1(9.941,31.842) 9.941,31.459 10.9,30.5 10.9,29.601 14.295,26.206 v1(14.295,23.663)
VDD_SERVO_IN: D3.5 IO1.17 pad.17@2.081,35.596 pad.23@2.081,35.596
VDD_SERVO_SENS: R27.2 R28.2 U2.14 | length 3
  Top Layer w0.2: U2.14@17.77,13.958 17.77,14.571 18.466,15.267 R27.2@18.466,16.642
VDD_VS: C3.1 u8.18 U11.1 U11.3
pads on no net: BOOT0.A1 BOOT0.A3 IO2.23 KEY1.A1 KEY1.A3 KEY2.A1 KEY2.B3 LDO1.6 M1.1 M2.1 M3.1 M4.1 TF1.0 U1.67 U3.8 U3.9 U3.12 U3.13 U5.0 U7.6 U7.7 U7.14 U7.15 u8.11 u8.22 u8.23 U9.2 U9.3 U9.4 U9.5 U9.6 U9.7 U9.14 U9.15 U9.16 U9.17 U9.19 U9.21 U17.3 U17.7 U17.14 U17.15 U18.4 U19.3 USB.0 USB.4

## Polygon pours and split planes (outlines as drawn)
VDD_5V_BRICK on Top Layer "NONET_L-01_P-001" (solid, remove dead copper, pour order 308): 9.6,39.4 9.6,36.9 9.82,36.68 11.887,36.68 11.887,38.013 11.7,38.2 11.4,38.5 11.4,39.4
VDD_SERVO on Top Layer "NONET_L-01_P-001" (solid, remove dead copper, pour order 304): 13.8,39.6 15.6,39.6 15.7,39.5 15.9,39.3 15.9,38.5 15.9,38.1 16,38 15.997,37.997 15.997,36.8 14.504,36.8 14.4,36.904 14.4,37.9 14.4,38 14.1,38.3 13.8,38.3
GND on Top Layer "NONET_L-01_P-001" (solid, remove dead copper, pour order 300): 32.1,41.1 32.2,41 47.4,41 47.4,31.1 47,30.7 42.6,30.7 42.6,31.3 41.5,32.4 41.1,32.8 41.1,36.7 32.9,36.7 32.1,37.5
GND on Top Layer "NONET_L-01_P-001" (solid, remove dead copper, pour order 292): 6.1,21.9 6.9,21.9 7.056,22.006 8.1,22.006 8.7,22.006 9.33,22.006 10.424,23.1 12.75,23.1 13.65,23.1 13.85,23.3 13.85,24 11.25,24 11.15,24.1 10.15,25.1 4.45,25.1 4.15,25.1 3.95,24.9 3.85,24.8 3.85,21.9 4.417,21.9
VDD_VS on Top Layer "NONET_L-01_P-001" (solid, remove dead copper, pour order 288): 10.65,36.2 10.75,36.3 12.65,36.3 12.65,35 13.05,34.6 13.75,34.6 13.75,33.121 13.778,33.093 13.684,33 11.15,33 11.15,34 10.95,34.2 10.65,34.2
VCC_OUT1 on Top Layer "VCC_OUT1_L01_P252" (solid, remove dead copper, pour order 252): 43.45,13 44.85,13 44.95,13.1 44.95,14.4 45.45,14.4 46.353,14.4 47.55,15.7 50.25,15.7 50.25,18.297 46.85,18.3 46.85,17.2 46.65,17 46.55,16.9 43.45,16.9
TF_VCC on Top Layer "TF_VCC_L01_P244" (solid, remove dead copper, pour order 244): 26.041,36.371 26.041,36.209 26.15,36.1 26.178,36.128 28.85,36.128 28.85,36.938 29.62,36.938 29.62,38.4 29.45,38.4 26.041,38.4
GND on Top Layer "GND_L01_P242" (solid, remove dead copper, pour order 242): 22.15,41.1 22.141,39.033 22.217,39.033 22.35,38.9 24.95,38.9 24.977,38.927 25.25,39.2 25.25,41.1
VBUS on Top Layer "Top Layer-GND" (solid, remove dead copper, pour order 134): 38.416,37.542 38.467,37.593 39.1,37.593 39.1,35.834 39.1,35.9 39.3,35.7 40.4,35.7 40.4,34.2 40.7,33.9 40.7,32.217 35.441,32.217 35.191,32.467 35.066,32.592 35.066,33.842 35.066,34.076 35.723,34.734
VDD_SERVO on Top Layer "Top Layer-No Net 1" (solid, remove dead copper, pour order 28): 5.166,28.117 10.266,28.117 10.566,28.367 10.591,28.392 10.591,30.967 10.741,30.967 11.141,31.367 11.291,31.517 11.941,31.517 12.191,31.767 12.216,31.742 12.891,31.742 13.141,31.742 13.166,31.717 13.141,31.742 13.141,32.742 9.65,32.7 8.75,31.8 7.75,30.8 5.166,30.8
VBUS on Top Layer "NONET_L-01_P-001" (solid, remove dead copper, pour order 266): 17.617,36.98 18.956,37.022 20.472,37.022 20.412,37.266 20.412,38.985 20.017,39.38 19.875,39.522 18.556,39.522 18.059,39.522 17.617,39.08 17.617,37.151
VBUS_VS on Top Layer "NONET_L-01_P-001" (solid, remove dead copper, pour order 270): 15.35,33.1 15.847,33.1 15.85,33.097 15.85,33.8 18.45,33.8 19.75,35.1 19.75,36.2 20.217,36.2 20.217,36.12 20.337,36 20.35,35.987 20.35,35.3 20.35,35.2 20.25,35.1 20.35,35.2 21.15,35.2 21.15,36.8 19.15,36.8 18.85,36.5 17.95,36.5 17.95,34.5 17.85,34.4 17.75,34.3 15.35,34.3
SERVO_G on Top Layer "NONET_L-01_P-001" (solid, remove dead copper, pour order 272): 14.85,33 15.35,33 15.35,34.2 17.75,34.2 17.95,34.4 17.95,36.4 17.35,36.4 16.95,36.4 16.699,35.337 16.15,35.2 16.15,36.1 15.65,36.1 15.65,35.1 15.15,35.1 14.85,34.8
SERVO_VS on Top Layer "NONET_L-01_P-001" (solid, remove dead copper, pour order 274): 14.25,33 14.347,33.097 14.75,33.097 14.75,34.8 15.02,35.07 16.72,35.07 16.85,35.2 16.85,36.8 14.75,36.8 13.65,36.8 13.65,35.7 13.85,35.5 14.25,35.1
VDD_G on Top Layer "NONET_L-01_P-001" (solid, remove dead copper, pour order 276): 13.75,33 14.25,33 14.347,33.097 14.25,33.195 14.25,35.1 13.65,35.7 13.65,36.68 11.27,36.68 11.25,36.7 11.25,35.2 11.95,35.2 11.95,36.1 12.55,36.1 12.55,35.2 12.55,35.1 12.65,35 13.05,34.6 13.75,34.6
VDD_5V_IN on Top Layer "NONET_L-01_P-001" (solid, remove dead copper, pour order 280): 20.433,36.591 21.711,36.533 21.711,35.633 23.25,35.633 24.85,35.633 25.75,36.533 26.172,36.533 27.467,36.533 28.171,35.828 28.367,35.633 30.05,35.633 30.05,40.833 20.472,40.833
VCC_OUT2 on Top Layer "VCC_OUT2_L01_P254" (solid, remove dead copper, pour order 254): 44.043,11.9 46.843,11.9 47.043,11.7 47.343,11.4 50.24,11.4 50.24,14.2 45.243,14.2 44.961,14.2 44.943,14.182 44.943,13 44.843,12.9 44.043,12.9
GND on Top Layer "GND_L01_P256" (solid, remove dead copper, pour order 256): 43.15,12.2 43.15,9 42.95,8.8 41.65,7.5 39.75,7.5 39.65,7.5 39.35,7.2 39.35,4.7 41.25,4.7 41.85,4.1 46.75,4.1 46.75,10.9 46.35,11.3 46.25,11.4 43.95,11.4 43.95,12.1 43.85,12.2
VBUS_G on Top Layer "NONET_L-01_P-001" (solid, remove dead copper, pour order 268): 15.85,32.9 18.569,32.9 18.611,32.858 20.111,34.358 21.411,34.358 21.711,34.658 21.711,35.839 21.65,35.9 20.95,35.9 20.95,35.2 20.45,35.2 20.35,36.1 19.75,36.1 19.75,35 19.35,34.6 18.45,33.7 15.85,33.7
VDD_5V_IN on Top Layer "VDD_5V_IN_L01_P250" (solid, remove dead copper, pour order 250): 42.95,12.1 41.35,12.1 41.25,12.1 41.15,12.1 41.137,14.613 40.697,15.053 40.697,16.96 41.137,17.4 41.15,17.413 41.15,18.4 42.35,18.4 42.45,18.3 42.55,18.2 43.35,18.2 44.15,18.2 44.25,18.1 44.25,15.3 43.55,15.3 43.55,14.4 42.95,13.8
VDD_5V_IN on Top Layer "Top Layer-VDD_5V_IN" (solid, remove dead copper, pour order 312): 6.6,41 6.6,36.9 20.381,36.9 20.7,37.219 20.7,41
VDD_5V_IN on Top Layer "Top Layer-No Net 1" (solid, remove dead copper, pour order 318): 31.2,34.9 33,34.9 32.999,34.899 32.999,33.3 32.1,32.401 31.999,32.3 31.2,32.3
MCU_3V3 on Top Layer "Top Layer-No Net 1" (solid, remove dead copper, pour order 320): 30.1,34.8 30.1,33.5 29.8,33.2 29.4,33.2 25.3,33.2 25.3,34.8
VDD_SERVO on Bottom Layer "VDD_SERVO_L06_P214" (solid, remove dead copper, pour order 214): 13.75,39.696 14.866,39.696 15.045,39.696 15.146,39.596 15.342,39.4 15.342,37.792 15.65,37.484 15.65,37.317 15.65,35.4 15.65,35.6 14.95,35.6 14.866,35.6 14.013,35.6 14.013,38.17 13.75,38.401
GND on Bottom Layer "GND_L06_P228" (solid, remove dead copper, pour order 228): -0.15,39.2 0.75,39.2 0.85,39.3 1.25,39.7 1.25,41 8.75,41 8.75,37.9 3.22,37.8 3.17,37.75 3.17,36.942 0.008,36.942 -0.15,37.1
VDD_SERVO_IN on Bottom Layer "VDD_SERVO_IN_L06_P212" (solid, remove dead copper, pour order 212): 1.197,35.104 2.813,35.104 7.366,35.104 8.366,34.104 9.15,34.5 9.75,34.5 14.013,34.5 14.013,38.304 12.113,38.304 11.513,38.304 10.813,37.604 10.959,37.75 7.866,37.75 1.197,37.75 1.297,37.204 1.197,37.104
GND on Bottom Layer "GND_L06_P168" (solid, remove dead copper, pour order 168): 37.891,4.092 42.041,4.092 42.141,3.992 42.291,3.842 42.291,-0.008 39.941,-0.008 39.867,0.067 39.867,2.831 39.641,3.056 39.577,2.992 37.691,2.992 37.691,4.117
IO-3V3 on Bottom Layer "IO-3V3_L06_P154" (solid, remove dead copper, pour order 154): 39.091,4.067 41.341,4.067 41.341,5.292 41.262,5.371 41.266,5.375 41.266,7.292 39.766,7.292 39.691,7.217 39.666,7.192 39.666,5.967 39.116,5.417 39.091,5.392 39.091,4.067
VDD_5V_IN on Bottom Layer "Top Layer-GND" (solid, remove dead copper, pour order 136): 38.066,5.142 37.866,5.342 37.391,5.342 35.916,3.867 35.616,3.867 35.616,3.192 35.616,2.092 35.616,1.667 35.616,0.342 37.191,0.342 37.491,0.342 39.566,0.342 39.716,0.342 39.966,0.592 40.016,0.642 40.016,3.117
VDD_5V_BRICK on Bottom Layer "Top Layer-No Net 1" (solid, remove dead copper, pour order 38): 38.091,41.042 38.141,41.092 43.941,41.092 43.941,37.867 43.791,37.717 43.741,37.667 38.091,37.667
VDD_5V_BRICK_IN on Bottom Layer "Top Layer-No Net 1" (solid, remove dead copper, pour order 40): 44.516,40.992 50.141,40.992 50.191,40.942 50.241,40.892 50.241,37.442 44.791,37.442 44.541,37.692
VDD_5V_IN on Bottom Layer "VDD_5V_IN_L06_P198" (solid, remove dead copper, pour order 198): 26.866,12.417 26.866,10.017 26.866,9.425 26.787,9.346 26.841,9.292 27.266,9.292 27.266,7.317 27.366,7.217 28.366,7.217 28.366,5.517 28.466,5.417 28.566,5.317 29.866,5.317 29.966,5.317 29.966,12.417 29.566,12.417 28.066,12.417 28.066,11.017 27.966,10.917 27.366,10.917 27.366,12.417
GND on Bottom Layer "GND_L06_P200" (solid, remove dead copper, pour order 200): 26.995,10.913 26.999,10.917 28.216,10.917 29.766,10.917 29.866,11.017 29.966,11.117 29.966,15.517 29.666,15.817 28.366,15.817 27.824,15.275 27.824,14.375 26.716,13.267
VDD_5V_BRICK on Bottom Layer "NONET_L-01_P-001" (solid, remove dead copper, pour order 284): 8.75,40.842 8.75,37.7 10.809,37.7 10.859,37.75 11.413,38.304 11.413,40.963 11.45,41
VDD_RC on Bottom Layer "NONET_L-01_P-001" (solid, remove dead copper, pour order 302): 1.1,4.1 4.3,4.1 4.4,4 4.4,0 1.9,0 0.6,1.3 0.1,1.3 0.1,3.1 -0.1,3.3
GND on Bottom Layer "NONET_L-01_P-001" (solid, remove dead copper, pour order 260): 42.133,9.517 47.066,9.517 cw(c47.066,8.917) 47.666,8.917 47.666,7.484 ccw(c48.25,7.484) 48.25,6.9 50.246,6.9 50.246,3.997 cw(c49.95,3.997) 49.95,3.7 42.933,3.7 cw(c42.933,4.542) 42.091,4.542
VDD_5V_IN on Bottom Layer "Top Layer-No Net 1" (solid, remove dead copper, pour order 328): 11.513,38.304 13.672,38.304 13.672,39.618 13.75,39.696 15.045,39.696 15.342,39.4 15.342,38.155 15.497,38 17.7,38 18.4,38 18.6,37.8 18.8,37.6 18.8,33.9 17.9,33.9 17.7,33.7 17.6,33.6 17.6,30.3 20.698,30.3 20.7,30.302 20.8,30.402 20.8,41 11.5,41
IO-3V3 on POWER1 "IO-3V3_L03_P224" (solid, remove dead copper, pour order 224): 7.3,15.9 12.735,15.9 12.766,15.869 12.766,15.276 12.766,8.775 41.3,8.8 41.405,8.695 41.6,8.5 41.6,0.1 7.125,0.158 7.25,0.1
VDD_SERVO on POWER1 "VDD_SERVO_L03_P176" (solid, remove dead copper, pour order 176): 1.25,28.917 12.266,28.917 12.966,28.917 13.266,29.217 13.466,29.417 13.466,34.417 13.466,36.917 13.966,37.417 15.266,37.417 15.266,41 15.149,41.117 1.166,41.117
VBUS on POWER1 "VBUS_L03_P178" (solid, remove dead copper, pour order 178): 13.466,34.922 35.761,34.922 36.566,34.117 37.166,33.517 51.666,33.517 51.666,41.017 51.649,41 13.466,41
GND on POWER1 "POWER1-GND" (solid, remove dead copper, pour order 316): 41.8,33.6 50.005,33.6 51.6,32.005 51.6,0 41.924,0 41.766,0.158
MCU_3V3 on POWER1 "Top Layer-No Net 1" (solid, remove dead copper, pour order 322): 41.685,8.775 41.685,33.198 41.8,33.313 41.596,33.517 37.166,33.517 35.893,34.79 35.732,34.951 13.466,34.951 13.466,29.596 12.966,29.096 12.966,28.917 1.408,28.917 1.25,28.759 1.25,16.1 12.717,16.1 12.973,15.844 12.966,15.837 12.966,8.775
VDD_5V_BRICK on Signal1 "VDD_5V_BRICK_L04_P192" (solid, remove dead copper, pour order 192): 9.766,40.892 9.766,37.192 10.066,36.892 10.266,36.692 17.566,36.692 18.066,37.192 18.5,37.192 19.8,37.192 21.266,37.192 31.466,37.192 43.166,37.192 43.766,37.792 43.966,37.992 43.966,40.992
GND on Signal1 "Top Layer-No Net 1" (solid, remove dead copper, pour order 330): 1.4,-0.3 49.6,-0.3 50,0.1 50.1,0.2 50.1,40.9 1.5,40.9 1.3,40.7
VDD_5V_IN on POWER "Top Layer-No Net 1" (solid, remove dead copper, pour order 324): 1.4,-0.3 49.6,-0.3 50,0.1 50.1,0.2 50.1,40.9 1.5,40.9 1.3,40.7
GND on GND "Top Layer-No Net 1" (solid, remove dead copper, pour order 326): 1.4,-0.3 49.6,-0.3 50,0.1 50.1,0.2 50.1,40.9 1.5,40.9 1.3,40.7

## Keep-outs
Keep-Out Layer:
  lines w0.002: 50.246,0 51.446,0 51.446,2 50.646,2 cw(c50.646,2.4) 50.246,2.4 50.246,38.6 cw(c50.646,38.6) 50.646,39 51.446,39 51.446,41 50.246,41 ; 50.25,0 29.25,0 cw(c29.25,0.5) 28.75,0.5 28.75,1.5 ccw(c28.25,1.5) 28.25,2 23.25,2 ccw(c23.25,1.5) 22.75,1.5 22.75,0.5 cw(c22.25,0.5) 22.25,0 3.25,0 cw(c3.25,2) 1.33,1.44 ccw(c0.85,1.3) 0.85,1.8 0,1.8 0,3.25 0.75,3.25 ccw(c0.75,3.75) 1.25,3.75 1.25,37.25 ccw(c0.75,37.25) 0.75,37.75 0,37.75 0,39.2 0.85,39.2 ccw(c0.85,39.7) 1.33,39.56 cw(c3.25,39) 3.25,41 50.25,41

## Other copper
Top Layer:
  rectangle net GND: 46.6,32.1 50,33.9
  rectangle net VDD_5V_BRICK: 40.75,37.6 43.75,38.2
Bottom Layer:
  rectangle net SPI_SCK: 34.916,5.567 35.291,6.117
  rectangle net NetD1_2: 5.2,0.2 7.9,2
  region net GND: 12.2,30.5 15.5,30.5 16.4,31.4 16.4,33.5 12.2,33.5

## Silkscreen, mask and mechanical layers (free items; w line width, h text height)
Top Overlay:
  text "FMU" at 7.8,39.1 h1.5
  text "V3X" at 30,31.4 h2
  text "IO" at 8.4,3.4 h1.5
  text "Rev:X2" at 43.791,0.342 h1.5
  text "PixHack V3" at 33.841,0.242 h2
Bottom Overlay:
  drawing of 1084 lines, arcs and shapes, not listed
  text "5V" at 20.666,24.167 h1.1
  text "DIO" at 33.9,21.6 h1.1
  text "CLK" at 34,20.4 h1.1
  text "IO_3V3" at 14.15,17.6 h1.1
  text "MCU_3v3" at 27.3,17.4 h1.1
  text "IO1_3V3" at 17.1,15.9 h1.1
  text "CUAV.NET" at 21.1,8.9 h1.5
  text "DIO" at 12.466,8.317 h1.1
  text "3V3-4" at 39,8.2 h1.1
  text "PW2" at 21.2,5.5 h1.1
  text "GND" at 17.1,5.1 h1.1
  text "3V3" at 12.25,2.6 h1.1
  text "CLK" at 14.55,2.6 h1.1
  text "19/6/1" at 27.7,2.5 h1.5

## Text inside footprints (layer, text, board x,y; h text height)
U16: Bottom Overlay "-" at 19.7,18.726 h1.5 r180; Bottom Overlay "+" at 19.425,16.126 h1.5 r270
U17: Top Overlay "Z" at 36.139,4.117 h0.26; Top Overlay "Y" at 37.25,4.117 h0.26; Top Overlay "X" at 36.139,3.164 h0.26